# Altium PCB ESC_STM32.PcbDoc (part 2 of 2)
Units mm, origin at the board's own origin, x right, y up, seen from the top; angles counter-clockwise.
Board outline 21.9 x 38.3 mm, 8 copper layers (Top Layer, GND 1, Layer 3, PWR 1, GND 2, Layer 4, PWR 2, Bottom Layer), stack 1.58 mm thick; 153 components, 89 nets, 537 pads, 319 vias.
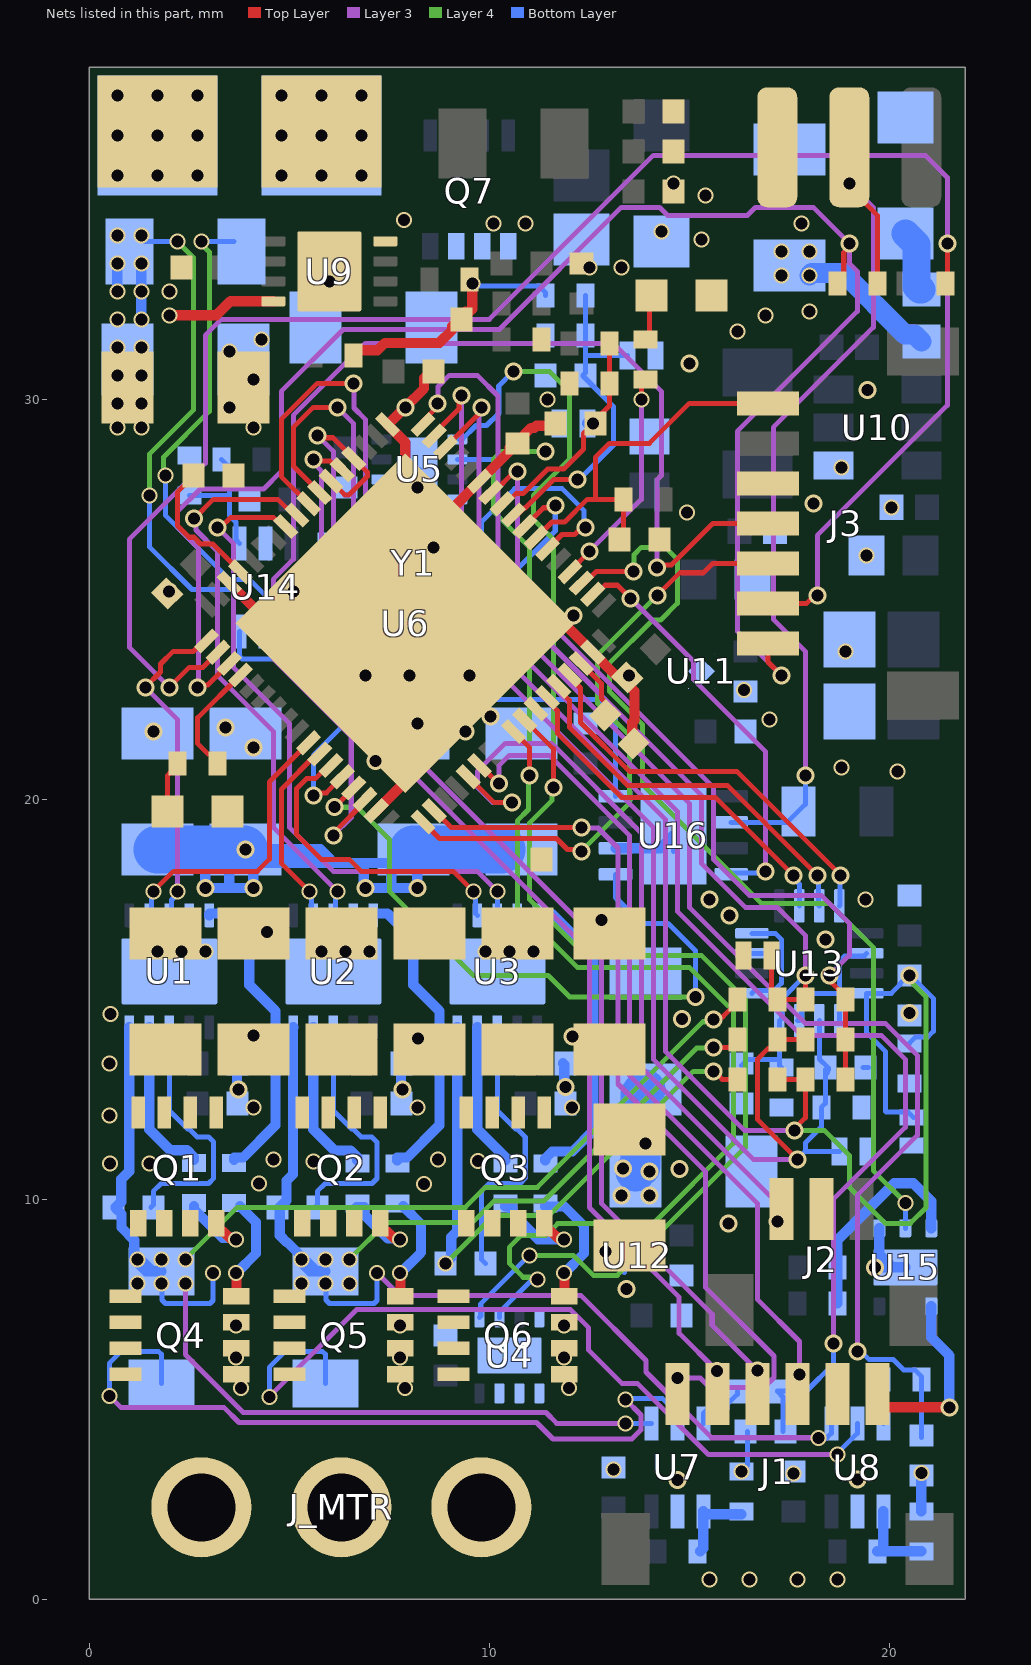
[diagram p8: the nets of this part, all layers, seen from the top]

## Via types
v1: diameter 0.4, hole 0.3, Top Layer to Bottom Layer, tented both sides, 184 vias
v2: diameter 0.45, hole 0.3, Top Layer to Bottom Layer, tented both sides, 135 vias

## Nets (pads, with @x,y where several pads share a name; then routed paths per layer and width w, separated by ;. In a path a pad name is that pad's centre, name@x,y a point inside that pad or via, vN(x,y) a via of type N, cw(c..) or ccw(c..) an arc to the next point about the centre after c; other vN are vias at no path point) (continued)
CAN_L: pad.1@19,36.3 R3.1 R14.2 U16.6 | length 22
  Top Layer w0.127: v2(19,35.4) 19,35.3 19.7,34.6 R14.2@19.7,32.9
  Layer 3 w0.127: v2(17.9,20.6) 17.9,23.7 17.1,24.5 17.1,29.3 19.6,31.8 19.6,34.8 v2(19,35.4)
  Bottom Layer w0.127: U16.6@16.045,19.425 17.45,19.425 17.9,19.875 v2(17.9,20.6)
CAN_RX: U6.47 U16.4 | length 12.2
  Top Layer w0.127: v2(5.6,20.1) 5.662,20.162 5.925,20.162 U6.47@6.327,20.564
  Bottom Layer w0.127: v2(5.6,20.1) 5.6,21.1 6.99,22.491 12.71,22.491 13.155,22.045 U16.4@13.155,20.075
CAN_S: U6.2 U16.8 | length 10.3
  Top Layer w0.127: U6.2@12.585,25.125 12.672,25.125 12.897,25.351 13.208,25.351 v2(13.535,25.023)
  Layer 3 w0.127: v2(13.535,25.023) 15.1,23.458 15.1,23 16.9,21.2 v2(16.9,18.2)
  Bottom Layer w0.127: U16.8@16.045,18.125 16.083,18.163 16.862,18.163 v2(16.9,18.2)
CAN_TX: U6.48 U16.1 | length 16.7
  Top Layer w0.127: v2(6.132,19.802) U6.48@6.61,20.281
  Layer 4 w0.127: v2(6.132,19.802) 6.698,19.802 7.5,19 7.5,17.7 9.6,15.6 11.469,15.6 12.009,15.06 v2(15.152,15.06)
  Bottom Layer w0.127: U16.1@13.155,18.125 13.155,17.545 13.8,16.9 14.469,16.9 15.152,16.217 v2(15.152,15.06)
COMP_OUT_U: U6.63 U13.14 | length 9.2
  Top Layer w0.127: U6.63@11.453,22.544 11.453,22.462 11.7,22.215 11.7,21.65 13.3,20.05 15.65,20.05 v2(17.6,18.1)
  Bottom Layer w0.127: v2(17.6,18.1) 17.6,18.026 17.75,17.876 U13.14@17.75,17.335
COMP_OUT_V: U6.64 U13.15 | length 9.7
  Top Layer w0.127: U6.64@11.736,22.827 11.736,22.74 12,22.476 12,21.8 13.45,20.35 15.95,20.35 v2(18.2,18.1)
  Bottom Layer w0.127: v2(18.2,18.1) 18.225,18.075 18.225,17.36 U13.15@18.25,17.335
COMP_OUT_W: U6.65 U13.16 | length 10.2
  Top Layer w0.127: U6.65@12.019,23.11 12.019,23.039 12.277,22.78 12.277,21.923 13.5,20.7 16.188,20.7 18.777,18.111 v2(18.777,18.1)
  Bottom Layer w0.127: U13.16@18.75,17.335 18.763,17.349 18.763,18.086 v2(18.777,18.1)
ENC.A: J1.4 U6.21 U6.23 | length 30.9
  Top Layer w0.127: v2(5.7,29.1) 5.762,29.038 6.09,29.038 6.523,28.606 U6.21@6.61,28.606 ; U6.23@6.044,27.953 6.386,27.611 6.491,27.611 6.952,28.071 6.952,28.177 U6.21@6.61,28.519
  Layer 3 w0.127: v2(5.7,29.1) 6.1,28.7 6.1,23.095 12.8,16.395 12.8,9.9 15.574,7.126 15.574,6.845 v2(16.7,5.72)
ENC.B: J1.3 U6.57 | length 20.6
  Top Layer w0.127: U6.57@9.756,20.847 9.773,20.847 10.22,20.4 v2(10.238,20.4)
  Layer 3 w0.127: v2@10.273,20.4 v2(10.238,20.4) 10.238,20.838 10.5,21.1 11.5,21.1 13.5,19.1 13.5,13.1 16.7,9.9 16.7,7.5 17.756,6.444 v2(17.756,5.62)
ENC.I: J1.6 U6.53 | length 22.4
  Top Layer w0.127: U6.53@8.625,19.715 9.04,19.3 v2(12.3,19.3)
  Layer 3 w0.127: v2(12.3,19.3) 12.316,19.284 12.716,19.284 13.217,18.782 13.217,12.883 15.4,10.7 15.4,7.8 17.116,6.085 17.116,5.548 16.859,5.292 15.518,5.292 15.282,5.528 v2(14.7,5.528)
ENC_PWR_EN: U6.3 U15.5 | length 24.7
  Top Layer w0.127: U6.3@12.302,25.408 12.389,25.408 12.681,25.7 v2(13.6,25.7)
  Layer 4 w0.127: v2(13.6,25.7) 13.616,25.716 13.616,26.116 13.8,26.3 14.4,26.3 14.7,26 14.7,24.9 14.284,24.484 14.084,24.484 13,23.4 13,22.7 13.825,21.875 13.825,20.375 16.8,17.4 18.5,17.4 19.6,16.3 19.6,10.716 v1(20.408,9.908)
  Bottom Layer w0.127: U15.5@20.4,9.275 20.404,9.279 20.404,9.904 v1(20.408,9.908)
GND: C2.2 C3.2 C5.2 C6.2 C8.2 C9.2 C10.1 C11.1 C12.1 C13.1 C14.1 C15.1 C16.1 C17.1 C18.2 C20.1 C21.1 C22.1 C23.1 C24.1 C25.2 C27.1 C28.1 C29.1 C30.1 C31.1 C32.1 C33.1 C34.1 C35.1 C36.1 C37.2 C38.1 C41.1 C42.1 C43.1 C44.1 C45.1 C46.1 C47.1 C48.1 C49.1 C50.2 C51.2 C52.2 C53.2 C54.1 C55.1 C56.1 C57.1 C58.1 C59.1 C60.1 C61.1 C62.1 C63.1 C64.1 C65.1 C66.1 C67.1 C68.1 C69.1 C73.2 D1.1 D2.1 D3.1 D4.1 D5.1 D6.1 D9.2 D11.2 D12.1 J1.2 J2.2 J3.3 pad.1@5.8,36.6 pad.1@5.8,36.7 pad.1@17.2,36.3 Q4.1 Q4.2 Q4.3 Q5.1 Q5.2 Q5.3 Q6.1 Q6.2 Q6.3 R10.2 R16.2 R20.2 R24.2 R29.2 R30.2 R46.2 R47.2 R48.2 U1.9 U1.11 U2.9 U2.11 U3.9 U3.11 U4.4 U4.5 U4.6 U4.7 U4.9 U5.4 U5.5 U5.6 U5.9 U6.12 U6.18 U6.32 U6.50 U6.62 U6.67 U6.69 U7.2 U8.2 U9.4 U9.9 U10.4 U11.2 U11.5 U12.2 U12.5 U13.9 U13.11 U13.12 U14.2 U15.4 U15.7 U16.2 U16.9 Y1.2 | length 47.2
  Top Layer w0.127: C66.1@4.1,16.65 4.135,16.685 v2(4.442,16.685) ; v2(12.802,16.981) 12.802,16.848 C69.1@13,16.65
  Top Layer w0.254: U6.32@3.498,25.408 4.506,24.4 U6.69@7.9,24.4 ; U6.50@7.175,19.715 8.6,21.14 U6.69@8.6,21.6 ; U6.18@7.458,29.367 7.458,29.365 7.9,28.923 7.9,27.53 U6.69@8.865,26.565 ; U6.18@7.461,29.364 7.464,29.364 v2(7.9,29.8) 8.367,30.267 8.367,30.527 C20.1@8.54,30.7 ; U6.69@7.911,25.611 U6.69@8.865,26.565 ; v2(8.6,26.3) 7.9,25.6 U6.69@7.9,24.4 ; U6.69@9.2,25.46 9.083,25.577 9.083,27.28 U6.12@9.756,27.953 10.507,28.704 10.507,28.787 10.68,28.96 10.72,28.96 10.893,29.133 10.893,29.137 11.042,29.286 11.125,29.286 11.178,29.339 11.649,29.339 C49.1@11.71,29.4 ; C64.1@13.561,21.439 13.575,21.453 13.575,21.914 13.631,21.97 13.631,22.702 13.503,22.83 13.503,23.075 v2(13.489,23.089) 13.475,23.103 13.157,23.103 U6.67@12.585,23.675 11.86,24.4 U6.69@7.9,24.4 ; U6.69@7.9,24.4 8.865,25.365 U6.69@8.865,26.565
  Bottom Layer w0.127: v2(1.6,21.7) 1.65,21.7 C36.1@1.7,21.65 ; v2(7.156,20.956) 7.85,21.65 C67.1@8.1,21.65 ; v2(8.2,27.8) 8.25,27.85 U5.9@8.25,28.25 ; v2(12.9,8.7) 12.9,8.645 U12.2@13.375,8.17 13.375,8.275 U12.5@13.7,8.6 ; U16.9@14.6,18.7 U16.9@14.6,19.1 ; v1(16.3,3.2) 16.46,3.36 C51.2@16.46,4.2 ; U13.9@16.565,15.15 16.631,15.216 17.116,15.216 17.3,15.4 17.3,16.2 ; U13.11@16.565,16.15 17.25,16.15 17.3,16.2 ; U13.12@16.565,16.65 17.15,16.65 17.3,16.5 17.3,16.2 ; C43.1@19.34,13.3 C43.1@19.477,13.3
  Bottom Layer w0.254: C3.2@3.64,13.4 3.691,13.349 3.691,12.786 v2(3.728,12.748) ; C5.2@7.74,13.4 7.791,13.349 7.791,12.786 v2(7.828,12.748) ; C9.2@11.84,13.4 11.875,13.365 11.875,12.839 v2(11.911,12.803) ; U16.2@13.155,18.775 14.275,18.775 U16.9@14.6,19.1 ; v2(19.648,8.3) U15.7@20.073,8.3 ; U15.4@19.75,9.275 19.75,8.623 U15.7@20.073,8.3 ; U15.7@20.4,8.3 U15.7@20.073,8.3 ; R16.2@20.8,2.2 v1(20.8,3.16)
  other v1: 15.5,0.5 16.5,0.5 17.7,0.5 18.7,0.5 17.6,3.14 13.1,3.24 3.79,5.282 7.89,5.282 11.99,5.282 3.67,6.05 7.77,6.05 11.87,6.05 3.67,6.85 7.77,6.85 11.87,6.85 4.1,12.3 8.2,12.3 12.067,12.29 1.7,16.2 2.3,16.2 2.9,16.2 5.8,16.2 6.4,16.2 7,16.2 9.9,16.2 10.5,16.2 11.1,16.2 19.4,17.5 20.2,20.7 18.8,20.8 17,22 16.37,22.73 18.9,23.7 19.425,26.1 14.941,27.173 20.06,27.3 18.8,28.3 4.1,29.3 3.5,29.8 11.45,30 4.1,30.5 3.5,31.2 4.3,31.5 16.2,31.7 16.9,32.1 18,32.2 6,32.944 12.5,33.3 13.3,33.3 15.3,34 14.3,34.2 17.8,34.4 15.4,35.1 14.6,35.4 4.8,35.6 5.8,35.6 6.8,35.6 4.8,36.6 5.8,36.6 6.8,36.6 4.8,37.6 5.8,37.6 6.8,37.6
  other v2: 14.7,2.979 19.2,3 13.43,7.754 15.984,9.39 14.756,10.756 14.815,14.503 20.5,14.66 18.4,16.5 16,17.1 15.5,17.5 4.1,21.3 9.4,21.7 3.4,21.8 8.2,21.9 10.027,22.075 6.9,23.1 8,23.1 9.5,23.1 12.1,24.6 1.989,25.189 5.1,25.2 18.1,27.4 19.452,30.232 15,30.9
GU_H: Q1.4 R2.2 | length 2.2
  Top Layer w0.254: Q1.4@3.175,9.4 3.175,9.28 3.258,9.197 3.352,9.197 3.546,9.004 v1@3.666,9.004
  Bottom Layer w0.254: R2.2@2.619,9.829 2.619,9.754 3.336,9.038 3.632,9.038 v1(3.67,9)
GU_H_R: R2.1 U1.4 | length 4
  Bottom Layer w0.254: U1.4@1.5,14.3 1.5,11.75 2.023,11.227 2.446,11.227 2.619,11.054 R2.1@2.619,10.979
GU_L: Q4.4 R6.2 | length 2.6
  Top Layer w0.254: Q4.4@3.67,7.575 3.681,7.586 3.681,8.151 v1@3.692,8.162
  Bottom Layer w0.254: v1(3.67,8.162) 3.686,8.162 4.169,8.645 4.169,9.429 R6.2@3.769,9.829
GU_L_R: R6.1 U1.10 | length 7.7
  Bottom Layer w0.254: U1.10@3,17.1 3,17.134 3.007,17.141 3.359,17.141 4,16.5 4,15.363 4.652,14.711 4.652,11.852 3.846,11.046 3.619,11.046 R6.1@3.619,10.979
GV_H: Q2.4 R7.2 | length 2.3
  Top Layer w0.254: Q2.4@7.275,9.4 7.275,9.28 7.358,9.197 7.452,9.197 7.646,9.004 v1@7.766,9.004
  Bottom Layer w0.254: R7.2@6.682,9.807 6.868,9.807 6.873,9.802 6.873,9.616 7.473,9.017 7.753,9.017 v1(7.77,9)
GV_H_R: R7.1 U2.4 | length 4
  Bottom Layer w0.254: U2.4@5.6,14.3 5.6,11.75 6.127,11.223 6.527,11.223 6.7,11.05 R7.1@6.7,10.975
GV_L: Q5.4 R12.2 | length 2.7
  Top Layer w0.254: Q5.4@7.77,7.575 7.781,7.586 7.781,8.151 v1@7.792,8.162
  Bottom Layer w0.254: v1(7.77,8.162) 7.786,8.162 8.291,8.667 8.291,9.384 R12.2@7.85,9.825
GV_L_R: R12.1 U2.10 | length 7.7
  Bottom Layer w0.254: U2.10@7.1,17.1 7.1,17.134 7.107,17.141 7.459,17.141 8.1,16.5 8.1,15.363 8.752,14.711 8.752,11.852 7.946,11.046 7.7,11.046 R12.1@7.7,10.975
GW_H: Q3.4 R13.2 | length 2.6
  Top Layer w0.254: Q3.4@11.375,9.4 11.375,9.28 11.458,9.197 11.552,9.197 11.746,9.004 v1@11.866,9.004
  Bottom Layer w0.254: R13.2@10.4,9.825 10.55,9.825 10.573,9.802 10.573,9.652 11.225,9 v1(11.87,9)
GW_H_R: R13.1 U3.4 | length 3.6
  Bottom Layer w0.254: U3.4@9.7,14.3 9.7,11.75 10.4,11.05 R13.1@10.4,10.975
GW_L: Q6.4 R15.2 | length 3.2
  Top Layer w0.254: Q6.4@11.87,7.575 11.881,7.586 11.881,8.151 v1@11.892,8.162
  Bottom Layer w0.254: R15.2@11.4,9.825 11.403,9.822 11.878,9.822 12.369,9.331 12.369,8.645 11.886,8.162 v1(11.87,8.162)
GW_L_R: R15.1 U3.10 | length 7.8
  Bottom Layer w0.254: U3.10@11.2,17.1 11.2,17.134 11.207,17.141 11.559,17.141 12.6,16.1 12.6,11.714 12.081,11.195 11.573,11.195 11.4,11.022 R15.1@11.4,10.975
HB_U: C1.2 U1.3 | length 6.5
  Bottom Layer w0.127: C1.2@1.54,9.8 1.6,9.86 1.6,10.2 1.796,10.396 2.981,10.396 3.11,10.525 3.11,11.433 2.985,11.558 2.699,11.558 2.494,11.763 2.458,11.763 2,12.22 U1.3@2,14.3
HB_V: C4.2 U2.3 | length 6.5
  Bottom Layer w0.127: C4.2@5.64,9.8 5.7,9.86 5.7,10.2 5.896,10.396 7.065,10.396 7.191,10.521 7.191,11.429 7.062,11.558 6.799,11.558 6.594,11.763 6.558,11.763 6.1,12.22 U2.3@6.1,14.3
HB_W: C7.2 U3.3 | length 7.2
  Bottom Layer w0.127: C7.2@9.9,8.4 9.8,8.5 9.8,10.2 9.996,10.396 10.765,10.396 10.899,10.529 10.899,11.558 10.694,11.763 10.658,11.763 10.2,12.22 U3.3@10.2,14.3
ISNS_U: C51.1 R32.1 U6.16 | length 34.8
  Top Layer w0.127: U6.16@8.625,29.085 8.625,29.143 9.238,29.757 9.238,30.038 v2(9.3,30.1)
  Layer 3 w0.127: v2(9.3,30.1) 9.3,25.1 14.7,19.7 14.7,17.2 17.8,14.1 19.8,14.1 20.4,13.5 20.4,11.8 18.6,10 v2(18.6,6.4)
  Bottom Layer w0.127: C51.1@17.34,4.2 17.34,5.06 R32.1@17.2,5.2 17.205,5.205 17.928,5.205 18.6,5.877 v2(18.6,6.4)
ISNS_U_R: R32.2 U7.6 | length 1.4
  Bottom Layer w0.127: U7.6@15.35,4.4 15.35,4.65 15.462,4.762 15.937,4.762 15.937,4.862 16.2,5.125 R32.2@16.2,5.2
ISNS_V: C52.1 R34.1 U6.15 | length 34.7
  Top Layer w0.127: U6.15@8.908,28.802 9.738,29.632 9.738,29.738 v2(9.8,29.8)
  Layer 3 w0.127: v2(9.8,29.8) 9.738,29.738 9.738,25.162 15,19.9 15,17.3 17.9,14.4 19.9,14.4 20.7,13.6 20.7,11.6 19.2,10.1 v2(19.2,6.2)
  Bottom Layer w0.127: v2(19.2,6.2) 19.287,6.2 19.497,5.991 20.104,5.991 20.358,5.737 20.638,5.737 20.8,5.575 R34.1@20.8,5.5 C52.1@20.8,4.04
ISNS_V_R: R34.2 U8.6 | length 1.2
  Bottom Layer w0.127: R34.2@19.8,5.575 R34.2@19.8,5.5 19.763,5.463 19.85,5.375 U8.6@19.85,4.4
ISNS_VIN: C53.1 R35.1 U6.8 | length 8.1
  Top Layer w0.127: U6.8@10.888,26.822 10.954,26.822 10.954,26.888 11.355,27.289 11.587,27.289 v2(11.649,27.351)
  Bottom Layer w0.127: R35.1@7,24 7,24.075 7.506,24.581 7.96,24.581 ; C53.1@7.96,24 7.96,24.581 ; v2(11.649,27.351) 11.649,26.709 9.521,24.581 7.96,24.581
ISNS_VIN_R: R35.2 U14.6 | length 3.1
  Bottom Layer w0.127: U14.6@3.75,24.2 3.75,23.585 3.824,23.51 5.379,23.51 5.632,23.764 5.838,23.764 6,23.925 R35.2@6,24
LED0: R33.2 U6.38 | length 2.9
  Top Layer w0.127: R33.2@3.2,20.9 3.2,20.975 3.038,21.137 2.963,21.137 2.71,21.39 2.71,22.039 U6.38@3.781,23.11
LED1: R38.2 U6.4 | length 5.6
  Top Layer w0.127: U6.4@12.019,25.69 12.019,25.705 12.5,26.186 v2(12.5,26.2) ; v1(13.8,30) 13.8,30.4 R38.2@13.9,30.5
  Layer 3 w0.127: v2(12.5,26.2) 13.8,27.5 v1(13.8,30)
NetD1_2: D1.2 R25.1 | length 1.6
  Bottom Layer w0.7: D1.2@20.4,34.15 20.675,33.875 20.675,32.825 20.75,32.75 R25.1@20.8,32.75
NetD9_1: D9.1 R33.1 | length 1.3
  Top Layer w0.127: D9.1@1.95,19.7 1.95,20.589 2.024,20.664 2.038,20.664 2.2,20.825 R33.1@2.2,20.9
NetD11_1: D11.1 R38.1 | length 1.2
  Top Layer w0.127: R38.1@13.9,31.5 14,31.6 14,32.55 D11.1@14.05,32.6
OSC: U6.6 Y1.3 | length 6.8
  Top Layer w0.127: U6.6@11.453,26.256 11.818,26.621 12.133,26.621 12.313,26.8 v2(12.4,26.8)
  Bottom Layer w0.127: Y1.3@8.965,25.235 9.015,25.235 9.352,25.572 9.352,25.622 9.8,26.07 9.8,26.929 10.637,27.766 11.821,27.766 12.372,27.216 12.372,26.828 v2(12.4,26.8)
OUT_U: J_MTR.1 R5.2 U7.5 | length 19.5
  Layer 3 w0.127: v1(0.5,5.088) 0.788,4.8 3.361,4.8 3.742,4.419 11.181,4.419 11.591,4.01 13.562,4.01 13.79,4.238 13.79,4.61 v1(13.4,5)
  Bottom Layer w0.127: v1(0.5,5.088) 0.5,5.9 0.8,6.2 1.726,6.2 1.8,6.126 R5.2@1.8,5.4 ; v1(13.4,5) 13.416,5.016 14.335,5.016 14.7,4.65 U7.5@14.7,4.4
OUT_V: J_MTR.2 R8.2 U8.5 | length 21
  Layer 3 w0.127: v1(4.5,5.063) 6.677,7.24 12.032,7.24 12.484,6.788 12.484,6.228 13.322,5.391 13.71,5.391 15.477,3.623 v1(18.7,3.623)
  Bottom Layer w0.127: v1(4.5,5.063) 4.5,5.8 4.9,6.2 5.826,6.2 5.9,6.126 R8.2@5.9,5.4 ; v1(18.7,3.623) 18.7,3.65 19.2,4.15 U8.5@19.2,4.4
OUT_W: C7.1 J_MTR.3 Q3.1 Q3.2 Q3.3 Q6.5 Q6.6 Q6.7 Q6.8 R45.1 U3.5 | length 15.4
  Top Layer w0.127: v2(15.6,13.2) 15.624,13.2 15.824,13 R45.1@16.2,13
  Layer 4 w0.127: v1(8.9,8.4) 8.918,8.4 10.118,9.6 11.5,9.6 15.1,13.2 v2(15.6,13.2)
  Bottom Layer w0.254: v1(8.9,8.4) 9.048,8.548 9.048,9.056 9.2,9.208 U3.5@9.2,14.3
PWM_UH: U1.7 U6.44 | length 7.2
  Top Layer w0.127: v1(1.6,17.7) 2.1,18.2 4.2,18.2 4.5,18.5 4.5,20.434 U6.44@5.478,21.412
  Bottom Layer w0.127: U1.7@1.5,17.1 1.55,17.15 1.55,17.65 v1(1.6,17.7)
PWM_UL: U1.8 U6.35 | length 8.2
  Top Layer w0.127: v2(1.4,22.8) 1.781,23.181 1.781,23.381 2.1,23.7 2.603,23.7 2.862,23.958 U6.35@2.933,23.958
  Layer 3 w0.127: v2(1.4,22.8) 2.2,22 v1(2.2,17.7)
  Bottom Layer w0.127: U1.8@2,17.1 2.057,17.157 2.057,17.483 2.2,17.626 v1(2.2,17.7)
PWM_VH: U2.7 U6.45 | length 4.8
  Top Layer w0.127: v1(5.5,17.7) 4.8,18.4 4.8,20.247 5.683,21.13 U6.45@5.761,21.13
  Bottom Layer w0.127: v1(5.5,17.7) 5.55,17.65 5.55,17.15 U2.7@5.6,17.1
PWM_VL: U2.8 U6.26 | length 14.4
  Top Layer w0.127: v2(2.617,27.017) 3.1,27.5 4.713,27.5 5.108,27.105 U6.26@5.195,27.105
  Layer 3 w0.127: v2(2.617,27.017) 2.667,26.966 2.667,26.733 3.2,26.2 3.2,23.1 4.6,21.7 4.6,19.3 v1(6.2,17.7)
  Bottom Layer w0.127: U2.8@6.1,17.1 6.15,17.15 6.15,17.65 v1(6.2,17.7)
PWM_WH: U3.7 U6.46 | length 7.9
  Top Layer w0.127: U6.46@6.044,20.847 5.977,20.847 5.646,20.516 5.428,20.516 5.184,20.272 5.184,19.116 5.8,18.5 6.5,18.5 6.8,18.2 9.1,18.2 v1(9.6,17.7)
  Bottom Layer w0.127: v1(9.6,17.7) 9.65,17.65 9.65,17.15 U3.7@9.7,17.1
PWM_WL: U3.8 U6.27 | length 16.6
  Top Layer w0.127: v2(3.2,26.8) 3.287,26.8 3.535,27.048 4.6,27.048 4.825,26.822 U6.27@4.912,26.822
  Layer 3 w0.127: v2(3.2,26.8) 3.6,26.4 3.6,23.3 5,21.9 5,19.3 6.1,18.2 9.7,18.2 v1(10.2,17.7)
  Bottom Layer w0.127: U3.8@10.2,17.1 v1(10.2,17.7)
RST_L: C25.1 J3.1 R11.1 U6.7 | length 9.5
  Top Layer w0.127: U6.7@11.17,26.539 11.567,26.935 11.885,26.935 12.45,27.5 12.65,27.5 ; C25.1@13.31,26.5 13.35,26.54 R11.1@13.35,27.5 12.65,27.5 ; J3.1@16.968,29.9 15,29.9 14,28.9 13,28.9 12.65,28.55 12.65,27.5
RX: J3.7 R14.1 U6.37 | length 42
  Top Layer w0.127: v2(2.7,22.8) 2.762,22.862 2.968,22.862 U6.37@3.498,23.392 ; J3.7@16.968,23.9 16.968,23.432 v2(17.3,23.1) ; R14.1@18.7,32.9 18.862,33.062 18.862,33.674 19,33.813 v2(19,33.9)
  Layer 3 w0.127: v2(2.7,22.8) 2.727,22.827 2.727,26.273 2.201,26.799 2.201,27.189 2.771,27.758 4.358,27.758 4.8,28.2 4.8,30.2 6.346,31.746 10.246,31.746 13.3,34.8 14.252,34.8 14.452,34.6 16.452,34.6 16.652,34.8 18.1,34.8 v2(19,33.9) 19,33.4 19.2,33.2 19.2,32.2 16.2,29.2 16.2,24.2 v2(17.3,23.1)
SCL: U4.2 U5.2 U6.60 | length 35.8
  Top Layer w0.127: U6.60@10.605,21.695 11,21.3 v2(11,20.6)
  Layer 4 w0.127: v1(11.2,8) 11.148,8.052 10.848,8.052 10.5,8.4 10.5,8.8 10.8,9.1 11.418,9.1 11.708,9.39 14.091,9.39 16.1,11.4 16.1,14.7 15,15.8 12.2,15.8 10.7,17.3 10.7,19.462 10.982,19.744 10.982,20.535 11,20.553 11,26.3 10.1,27.2 10.1,28.5 10.3,28.7 v2(11.4,28.7)
  Bottom Layer w0.127: U5.2@9.2,28.5 10.219,28.5 10.419,28.7 v2(11.4,28.7) ; U4.2@10.25,7.05 10.25,7.175 10.435,7.359 ; 10.435,7.361 11.022,7.948 11.148,7.948 v1(11.2,8)
SDA: U4.1 U5.1 U6.61 | length 38.8
  Top Layer w0.127: U6.61@10.888,21.978 11.6,21.266 v2(11.6,20.3)
  Layer 4 w0.127: v2(10.6,30.7) 11.5,30.7 12,30.2 12,28.5 11.1,27.6 11.1,27 11.6,26.5 v2(11.6,20.3) 11.6,20.264 11.563,20.227 11.563,19.966 11,19.403 11,17.5 12.4,16.1 15.3,16.1 16.4,15 16.4,11.3 13.2,8.1 12.6,8.1 12.1,8.6 v1(11,8.6)
  Bottom Layer w0.127: U5.1@9.2,29 9.325,29 9.67,29.345 9.932,29.345 10.235,29.648 10.235,30.335 v2(10.6,30.7) ; U4.1@9.75,7.05 9.786,7.086 9.786,7.386 v1(11,8.6)
SERVO: J2.3 U6.56 | length 19.2
  Top Layer w0.127: U6.56@9.473,20.564 10.121,19.916 v2(10.566,19.916)
  Layer 3 w0.127: v2(10.566,19.916) 10.084,19.916 9.7,20.3 9.7,20.7 10.4,21.4 11.559,21.4 13.8,19.159 13.8,13.3 17.2,9.9 v2(17.2,9.448)
SH_U_R: C1.1 Q1.1 Q1.2 Q1.3 Q4.5 Q4.6 Q4.7 Q4.8 R5.1 R41.1 U1.5 U7.4 | length 40.5
  Top Layer w0.127: v2(15.6,14.5) 15.662,14.562 15.837,14.562 16.2,14.925 R41.1@16.2,15
  Layer 3 w0.127: v1(2.4,7.9) 2.4,6.12 3.848,4.673 11.415,4.673 11.687,4.4 v1(13.4,4.4)
  Layer 4 w0.127: v1(2.4,8.5) 3.7,9.8 9.4,9.8 9.9,10.3 11.2,10.3 15.338,14.438 15.538,14.438 v2(15.6,14.5)
  Bottom Layer w0.127: v1(1.8,7.9) 1.816,7.884 1.816,7.484 1.907,7.393 3.019,7.393 3.093,7.467 v1(3.093,8.162) ; v1(13.4,4.4) U7.4@14.05,4.4
  Bottom Layer w0.254: C1.1@0.66,9.78 0.805,9.635 0.805,9.295 1.122,8.978 1.122,8.578 v1(1.2,8.5) 1.2,8.423 1.423,8.2 R5.1@1.575,8.2 ; C1.1@0.66,9.8 0.799,9.939 0.799,10.501 1,10.702 U1.5@1,14.3 ; R5.1@1.276,8.499 R5.1@1.575,8.2 ; R5.1@1.8,8.2 R5.1@1.575,8.2
  other v1: 1.2,7.9 1.8,8.5
SH_V_R: C4.1 Q2.1 Q2.2 Q2.3 Q5.5 Q5.6 Q5.7 Q5.8 R8.1 R43.1 U2.5 U8.4 | length 35.4
  Top Layer w0.127: v2(15.6,13.8) 16.038,13.8 16.2,13.962 R43.1@16.2,14
  Layer 3 w0.127: v1(7.193,8.162) 7.755,7.6 12.288,7.6 13.919,5.969 13.919,5.681 15.561,4.039 v1(18.236,4.039)
  Layer 4 w0.127: v1(6.5,8.5) 7.415,9.416 9.575,9.416 10.113,9.954 11.354,9.954 15.184,13.784 15.584,13.784 v2(15.6,13.8)
  Bottom Layer w0.127: v1(5.9,7.9) 5.916,7.884 5.916,7.484 6.007,7.393 7.119,7.393 7.193,7.467 v1(7.193,8.162) ; v1(18.236,4.039) 18.438,4.039 18.55,4.15 U8.4@18.55,4.4
  Bottom Layer w0.254: U2.5@5.1,14.3 5.093,14.293 5.093,10.628 4.933,10.468 4.933,9.973 4.76,9.8 4.76,9.099 4.94,8.919 4.956,8.919 R8.1@5.675,8.2 ; v1(5.3,8.5) 5.3,8.423 5.523,8.2 R8.1@5.675,8.2 ; R8.1@5.9,8.2 R8.1@5.675,8.2
  other v1: 5.3,7.9 6.5,7.9 5.9,8.5
SPI.MISO: J1.5 U6.22 | length 27.8
  Top Layer w0.127: v2(5.6,28.5) 5.638,28.462 6.014,28.462 6.24,28.236 U6.22@6.327,28.236
  Layer 3 w0.127: v2(5.6,28.5) 5.6,28.413 5.8,28.213 5.8,22.9 12.5,16.2 12.5,9.797 14.747,7.551 14.747,6.651 v2(15.69,5.707)
SWCLK: J3.5 U6.52 | length 15.2
  Top Layer w0.127: U6.52@8.342,19.433 8.757,19.018 11.682,19.018 11.955,18.745 12.255,18.745 v2(12.3,18.7) ; v2(14.2,25.1) 14.764,25.664 15.356,25.664 15.593,25.9 J3.5@16.968,25.9
  Layer 4 w0.127: v2(12.3,18.7) 13.5,19.9 13.5,21.6 12.7,22.4 12.7,23.6 v2(14.2,25.1)
SWDIO: J3.4 U6.49 | length 31
  Top Layer w0.127: v2(6.1,19.1) 6.1,19.153 6.892,19.945 U6.49@6.892,19.998 ; v2(14.196,25.8) 14.258,25.862 14.555,25.862 15.593,26.9 J3.4@16.968,26.9
  Layer 3 w0.127: v2(6.1,19.1) 6.548,19.548 6.548,21.569 4.6,23.517 4.6,25.5 5.1,26 5.1,29.6 6.9,31.4 13.1,31.4 14.3,30.2 14.3,28.095 14.196,27.992 v2(14.196,25.8)
TX: J3.6 R9.1 U6.36 | length 46.4
  Top Layer w0.127: v2(2,22.8) 2.5,23.3 2.84,23.3 U6.36@3.215,23.675 ; J3.6@16.968,24.9 17.933,24.9 18.133,25.1 v2(18.2,25.1) ; R9.1@21.4,32.9 21.452,32.952 v2(21.452,33.9)
  Layer 3 w0.127: v2(2,22.8) 1,23.8 1,26.5 2.9,28.4 2.9,31.6 3.3,32 10,32 14.1,36.1 20.9,36.1 21.452,35.548 v2(21.452,33.9) 21.452,29.852 18.2,26.6 v2(18.2,25.1)
U_ISNS_REF: R4.2 R10.1 U7.1 | length 2
  Bottom Layer w0.254: R4.2@15.275,1.2 15.35,1.275 U7.1@15.35,2.2 15.35,2.173 15.398,2.125 R10.1@16.3,2.125
V_ISNS_REF: R1.2 R16.1 U8.1 | length 2.1
  Bottom Layer w0.254: R1.2@19.7,1.2 19.775,1.2 R1.2@19.85,1.275 ; U8.1@19.85,2.2 19.85,1.2 R16.1@20.8,1.2
VBAT: C10.2 C11.2 C12.2 C13.2 C15.2 C19.1 C36.2 C38.2 C40.2 C46.2 C47.2 C48.2 C57.2 C60.2 C65.2 C66.2 C67.2 C68.2 C69.2 Q1.5 Q1.6 Q1.7 Q1.8 Q2.5 Q2.6 Q2.7 Q2.8 Q3.5 Q3.6 Q3.7 Q3.8 Q7.1 Q7.2 Q7.3 R17.1 R18.2 R25.2 R27.2 R31.2 U9.8 | length 44.1
  Top Layer w0.127: C66.2@4.1,13.75 v2(4.1,14.1) ; v2(8.215,14.026) 8.49,13.75 C65.2@8.5,13.75 ; v2(12.084,14.072) 12.407,13.75 C69.2@13,13.75
  Top Layer w0.254: v1(2,32.1) 3.177,32.1 3.527,32.45 U9.8@4.6,32.45 ; R17.1@6.6,31.1 6.6,31.127 6.698,31.225 7.206,31.225 7.391,31.41 8.749,31.41 9.067,31.728 9.067,31.827 9.24,32 9.24,32.02 9.413,32.193 9.513,32.193 9.575,32.255 v1(9.575,32.9)
  Bottom Layer w0.127: R31.2@1.391,33.947 2.2,33.947 ; C68.2@3.393,19.222 3.865,18.75 v2(3.9,18.75) ; C68.2@3.5,18.35 3.882,18.732 v2(3.9,18.75) ; C68.2@4.1,18.55 v2(3.9,18.75) ; v2(6.9,17.785) v2@6.9,17.8 ; C67.2@7.5,18.163 7.55,18.213 7.742,18.406 8.087,18.75 8.073,18.75 7.85,18.75 C67.2@7.506,18.406 ; v1(9.575,32.9) 9.649,32.9 9.712,32.837 11.238,32.837 11.4,32.675 R27.2@11.4,32.6
  Bottom Layer w0.254: v1(0.7,32.7) v1(0.7,33.4) ; v1(1.3,32) v1(1.3,32.7) v1(1.3,33.4) ; 2.8,18.75 2.9,18.65 v2(2.9,17.785) 3.5,17.785 ; C68.2@3.5,18.35 3.5,17.785 ; C68.2@3.865,18.75 3.882,18.732 C68.2@4.1,18.515 ; C67.2@8.073,18.75 C67.2@7.729,18.406 ; C67.2@8.087,18.75 C67.2@8.1,18.75 ; C47.2@13.65,10.7 C47.2@13.9,10.95 ; 3.5,17.785 v2(4.1,17.785) C68.2@4.1,18.515 ; C68.2@4.1,18.515 4.1,18.55 4.1,18.563 C68.2@4.224,18.687 ; C68.2@4.1,18.515 4.209,18.406 6.117,18.406 ; C68.2@4.224,18.687 C68.2@4.287,18.75 ; C68.2@4.224,18.687 4.673,18.6 5.494,18.6 cw(c5.494,18.346) 5.506,18.6 5.945,18.578 ; C68.2@4.224,18.687 v2(3.9,18.75) C68.2@4.287,18.75 ; C68.2@4.287,18.75 5.773,18.75 5.945,18.578 ; 5.945,18.578 6.117,18.406 ; 6.117,18.406 6.811,18.406 ; 6.811,18.406 7.506,18.406 C67.2@7.729,18.406 ; 6.811,18.406 6.862,18.354 6.862,17.822 v2(6.9,17.785) 7.55,17.785 ; 7.55,17.785 v2(8.2,17.785) 8.2,18.65 C67.2@8.1,18.75 ; 7.55,17.785 7.55,18.213 7.55,18.227 C67.2@7.729,18.406 ; C67.2@7.729,18.406 7.742,18.406 7.756,18.406 C67.2@8.1,18.75
  Bottom Layer w0.5: v1(18,33.1) 18.056,33.156 18.857,33.156 20.388,31.625 20.625,31.625 R25.2@20.8,31.45
  Bottom Layer w1: C47.2@13.65,10.7 13.775,10.825 13.775,12.625 C48.2@13.9,12.75
  Bottom Layer w1.2: C36.2@1.7,18.75 2.8,18.75 C68.2@3.865,18.75 ; C67.2@8.1,18.75 C46.2@10.3,18.75
  other v1: 4.242,10.4 8.362,10.386 0.521,10.9 1.5,10.9 5.6,10.946 9.718,10.959 4.6,11 8.721,11 0.5,12.1 0.5,13.4 0.532,14.634 0.7,29.3 1.3,29.3 0.7,29.9 1.3,29.9 0.7,30.6 1.3,30.6 0.7,31.3 1.3,31.3 0.7,32 2,32.7 17.3,33.1 17.3,33.7 18,33.7 0.7,34.1 1.3,34.1 10.1,34.4 10.9,34.4 7.868,34.48
  other v2: 13.3,10.1 14,10.1 14,10.7 13.346,10.77 13.9,11.4
VBAT_ISNS_REF: R23.2 R24.1 U14.1 | length 3.3
  Bottom Layer w0.127: R24.1@2.5,27.6 3.5,27.6 ; R23.2@3.3,28.5 3.462,28.339 3.462,27.938 3.5,27.9 3.5,27.6 ; U14.1@3.75,26.4 3.667,26.483 3.667,26.933 3.5,27.1 3.5,27.6
VBAT_SNS_N: U14.5 | length 12.2
  Layer 4 w0.127: v1(1.5,27.6) 1.5,28.628 2.6,29.728 2.6,33.547 v1(2.2,33.947)
  Bottom Layer w0.127: v1(1.5,27.6) 1.5,26.312 2.566,25.246 3.604,25.246 4.4,24.45 U14.5@4.4,24.2
VBAT_SNS_P: U14.4 | length 12.7
  Layer 4 w0.127: v1(1.9,28.1) 1.854,28.146 1.854,28.554 3,29.7 3,33.683 2.8,33.883 v1(2.8,33.943)
  Bottom Layer w0.127: v1(1.9,28.1) 1.9,27.1 3.5,25.5 4,25.5 5.05,24.45 U14.4@5.05,24.2 ; v1(2.8,33.943) 3.609,33.943 3.611,33.942
VCAP1: C63.2 U6.31 | length 3.5
  Top Layer w0.127: C63.2@2.6,28.1 2.6,28.075 2.2,27.675 2.2,26.846 2.495,26.551 2.615,26.551 2.781,26.384 3.087,26.384 U6.31@3.781,25.69
VCAP2: C64.2 U6.66 | length 1.6
  Top Layer w0.127: U6.66@12.302,23.392 12.803,22.891 12.803,22.521 12.939,22.385 C64.2@12.939,22.061
VCC_ENC: J1.1 U15.1 | length 4.7
  Top Layer w0.254: J1.1@19.7,5.132 19.7,4.973 19.873,4.8 v2(21.5,4.8)
  Bottom Layer w0.254: U15.1@21.05,7.325 21.05,6.548 21.5,6.098 v2(21.5,4.8)
VCC_ENC_R: R21.1 R22.1 U15.6 | length 5.4
  Bottom Layer w0.254: R22.1@18.7,7.4 18.7,8.975 20.125,10.4 20.6,10.4 21.05,9.95 U15.6@21.05,9.275
Vin: pad.1@1.7,36.6 pad.1@1.7,36.7 R31.1
  other v1: 0.7,35.6 1.7,35.6 2.7,35.6 0.7,36.6 1.7,36.6 2.7,36.6 0.7,37.6 1.7,37.6 2.7,37.6
VSNS_12V: C49.2 D6.2 R28.1 R30.1 U6.10 | length 5.9
  Top Layer w0.127: U6.10@10.322,27.388 10.409,27.388 10.663,27.642 10.842,27.642 11.454,28.254 11.854,28.254 12.354,28.754 12.354,29.144 12.46,29.25 12.59,29.25 12.59,29.35 v1(12.59,29.4) ; C49.2@12.64,29.25 12.64,29.35 v1(12.59,29.4) ; R28.1@13,31.4 13,29.83 12.59,29.42 v1(12.59,29.4)
  Bottom Layer w0.254: D6.2@12.45,29.4 v1(12.59,29.4)
VSNS_U: C42.2 D4.2 R40.1 R41.2 R46.1 U6.17 U13.8 | length 27.2
  Top Layer w0.127: U6.17@8.342,29.367 8.342,29.454 8.638,29.751 8.638,29.838 v2(8.7,29.9) ; D4.2@17.05,16.15 D4.2@17.05,16.1 17.05,15.15 R41.2@17.2,15 R40.1@17.9,15 v2(17.9,15.6)
  Layer 3 w0.127: v2(8.7,29.9) 8.716,29.916 8.716,30.316 9,30.6 9.7,30.6 10.216,30.085 10.216,25.184 15.3,20.1 15.3,18.4 16.4,17.3 17.2,17.3 17.9,16.6 v2(17.9,15.6)
  Bottom Layer w0.127: C42.2@16.3,13.34 16.46,13.5 R46.1@17.25,13.5 ; R46.1@17.3,13.3 17.25,13.35 R46.1@17.25,13.5 ; v2(17.9,15.6) 17.316,15.016 17.316,14.532 U13.8@17.25,14.465 R46.1@17.25,13.5
VSNS_V: C43.2 D3.2 R42.1 R43.2 R47.1 U6.24 U13.6 | length 36.8
  Top Layer w0.127: U6.24@5.761,27.67 5.1,28.331 5.1,29.3 5.6,29.8 v2(6.2,29.8) ; v2(17.7,11) 16.71,11.99 16.71,13.51 16.963,13.764 17.038,13.764 17.2,13.925 R43.2@17.2,14 R42.1@17.9,14
  Layer 3 w0.127: v2(6.2,29.8) 6.6,29.4 6.6,26.8 14.1,19.3 14.1,13.5 16.6,11 v2(17.7,11)
  Bottom Layer w0.127: v2(17.7,11) 17.9,11.2 ; U13.6@18.25,14.465 18.25,13.51 C43.2@18.46,13.3 ; C43.2@18.475,13.232 18.475,13.285 C43.2@18.46,13.3 ; D3.2@18.75,11.2 17.9,11.2 ; 17.9,11.2 17.9,11.41 18.3,11.81 R47.1@18.3,12.3 18.4,12.4 C43.2@18.4,13.105 ; C43.2@18.4,13.105 18.46,13.165 C43.2@18.46,13.3 ; C43.2@18.4,13.105 18.4,13.24 C43.2@18.46,13.3
VSNS_VBAT: C45.2 D5.2 R27.1 R29.1 U6.9 | length 8.4
  Top Layer w0.127: U6.9@10.605,27.105 10.692,27.105 10.869,27.282 10.902,27.282 11.619,28 v2(12.2,28)
  Bottom Layer w0.127: v2(12.2,28) 12.252,28 13.1,28.848 13.1,29.82 12.34,30.58 12.34,30.6 12.4,30.66 12.4,31.1 ; R27.1@12.4,32.6 12.4,31.1 ; D5.2@13.45,31.1 12.4,31.1
VSNS_W: C44.2 D2.2 R44.1 R45.2 R48.1 U6.25 U13.4 | length 49.1
  Top Layer w0.127: U6.25@5.478,27.388 4.8,28.066 4.8,29.5 5.7,30.4 v2(6.6,30.4) ; R45.2@17.2,13 R44.1@17.9,13 17.9,12.039 17.627,11.765 v2(17.627,11.724)
  Layer 3 w0.127: v2(6.6,30.4) 6.616,30.384 6.616,29.785 6.9,29.5 6.9,27 14.4,19.5 14.4,13.7 16.376,11.724 v2(17.627,11.724)
  Layer 4 w0.127: v2(17.627,11.724) 18.376,11.724 19,11.1 19,10.3 19.9,9.4 20.526,9.4 20.915,9.79 20.915,15.067 20.562,15.421 20.562,15.538 v2(20.5,15.6)
  Bottom Layer w0.127: R48.1@20.5,13.9 20.661,14.062 20.961,14.062 21.1,14.2 21.1,15.025 20.525,15.6 v2(20.5,15.6) 20.475,15.6 20.263,15.389 20.263,15.364 20.05,15.15 U13.4@19.435,15.15 19.435,14.165 19.9,13.7 19.9,12.2 19.914,12.187 20.463,12.187 D2.2@20.6,12.05
VSNS_X: R40.2 R42.2 R44.2 U6.11 U13.2 U13.5 U13.7 | length 25.1
  Top Layer w0.127: U6.11@10.039,27.67 10.105,27.67 10.634,28.2 v2(10.7,28.2) ; v2(18.5,15.6) 18.562,15.538 18.562,15.413 18.9,15.075 R40.2@18.9,15 R42.2@18.9,14 R44.2@18.9,13
  Layer 3 w0.127: v2(10.7,28.2) 10.7,25.2 15.6,20.3 15.6,18.5 16.5,17.6 18.3,17.6 19,16.9 19,16.1 v2(18.5,15.6)
  Bottom Layer w0.127: U13.7@17.7,14.465 U13.7@17.75,14.465 17.8,14.515 17.8,15 17.95,15.15 18.75,15.15 ; v2(18.5,15.6) 18.75,15.6 ; U13.5@18.75,14.465 18.75,15.15 ; U13.2@19.435,16.15 19.368,16.084 18.883,16.084 18.75,15.95 18.75,15.6 ; 18.75,15.15 18.75,15.6
pads on no net: J1.M J2.M J3.M U1.2 U2.2 U3.2 U4.3 U5.3 U6.5 U6.14 U6.20 U6.28 U6.29 U6.30 U6.34 U6.39 U6.40 U6.41 U6.42 U6.43 U6.54 U6.55 U6.58 U6.59 U13.3 U13.10 U13.13 U15.2 U15.3 Y1.1

## Polygon pours and split planes (outlines as drawn)
GND on Top Layer "PolygonDirect" (solid, pour order 43): 0,0 0,38.3 21.9,38.3 21.9,0
VBAT on Top Layer "polygonDirect" (solid, pour order 42): 14.2,10.1 14.627,10.527 14.627,13.773 13.8,14.6 0,14.6 0,10.1
GND on Top Layer "PolygonDirect" (solid, pour order 41): 11.409,7.09 11.609,7.29 12.309,7.29 12.509,7.09 12.509,4.89 12.409,4.79 12.109,4.79 11.409,5.49
GND on Top Layer "PolygonDirect" (solid, pour order 36): 7.1,6.881 7.509,7.29 8.209,7.29 8.409,7.09 8.409,4.89 8.309,4.79 7.1,4.79
OUT_W on Top Layer "PolygonDirect" (solid, pour order 26): 12.127,4.416 11.027,5.516 11.027,9.816 10.927,9.916 9.227,9.916 8.4,9.089 8.4,4.8 8.1,4.5 8.1,0 12.127,0
SH_U_R on Top Layer "PolygonDirect" (solid, pour order 23): 2.8,4.87 2.8,9.9 1.1,9.9 0.3,9.1 0.3,4.87
GND on Top Layer "PolygonDirect" (solid, pour order 18): 3,6.881 3.409,7.29 4.109,7.29 4.309,7.09 4.309,4.89 4.209,4.79 3,4.79
SH_V_R on Top Layer "PolygonDirect" (solid, pour order 17): 6.9,4.87 6.9,9.9 5.2,9.9 4.4,9.1 4.4,4.87
VBAT on Top Layer "PolygonDirect" (solid, pour order 15): 1.5,26.7 1.9,27.1 1.9,30.7 2.6,31.4 2.6,34.8 0,34.8 0,14.2 1.5,14.2
12V on Top Layer "polygonDirect" (solid, pour order 5): 13.6,38 14.1,37.5 14.1,34.8 14,34.7 11.7,34.7 11.7,38
VBAT on Top Layer "NONET_L03_P-001" (solid, pour order 0): 18.29,33.2 18.29,33.6 ccw(c17.89,33.6) 17.89,34 17.39,34 ccw(c17.39,33.6) 16.99,33.6 16.99,33.2 ccw(c17.39,33.2) 17.39,32.8 17.89,32.8 ccw(c17.89,33.2)
GND on Bottom Layer "PolygonDirect" (solid, pour order 39): 0,0 0,38.3 21.9,38.3 21.9,0
OUT_V on Bottom Layer "PolygonDirect" (solid, pour order 38): 4.2,0 4.2,5.2 5,6 6.794,6 7.1,5.694 7.1,5 8,4.1 8,0
5VREG_SW on Bottom Layer "PolygonDirect" (solid, pour order 37): 15.8,30 16.9,28.9 19.1,28.9 19.1,30.4 18.3,30.4 17.9,30.8 17.9,31.3 15.8,31.3
VBAT on Bottom Layer "PolygonDirect" (solid, pour order 28): 1.3,28.8 0,28.8 0,34.6 1.6,34.6 2,34.2 2,31.718 2,29.5
VBAT on Bottom Layer "PolygonDirect" (solid, pour order 27): 7.5,34.9 7.5,33.8 9,32.3 10.2,32.3 10.9,33 10.9,34.9
Vin on Bottom Layer "PolygonDirect" (solid, pour order 20): 4,38.3 4,35.2 4.4,34.8 4.4,32.875 3.2,32.875 3.2,33.2 1.7,34.7 0,34.7 0,38.3
12V on Bottom Layer "PolygonDirect" (solid, pour order 9): 12.7,36.55 12.7,37.3 11.5,37.3 11.5,34.95 13,34.95 13,36.25
OUT_U on Bottom Layer "PolygonDirect" (solid, pour order 7): 0,0 0,5.1 0.9,6 2.694,6 4.5,4.194 4.5,0
VBAT on PWR 2 "VBAT_L07_P030" (solid, pour order 30): 0,0 0,38.3 21.9,38.3 21.9,0
12V on PWR 2 "PWR 2-12V" (solid, pour order 24): 3.2,11.5 3.6,11.1 13.5,11.1 21.9,19.5 21.9,38.3 12,38.3 11.1,37.4 11.1,34.6 11.6,34.1 13.3,34.1 14.4,33 14.4,17.8 11.4,14.8 3.6,14.8 3.2,14.4
GND on Layer 4 "GND_L06_P031" (solid, pour order 31): 0,0 0,38.3 21.9,38.3 21.9,0
3V3_MCU on Layer 4 "3V3_MCU_L06_P021" (solid, pour order 21): 1.9,28.5 5.4,32 13,32 15.9,29.1 15.9,21.1 12.3,17.5 6.3,17.5 1.9,21.9
GND on GND 1 "GND_L02_P014" (solid, pour order 14): 0,0 0,38.3 21.9,38.3 21.9,0
VBAT on PWR 1 "VBAT_L04_P022" (solid, pour order 22): 0,0 0,38.3 21.9,38.3 21.9,0
GND on GND 2 "GND_L05_P032" (solid, pour order 32): 0,0 0,38.3 21.9,38.3 21.9,0
GND on Layer 3 "GND_L03_P033" (solid, pour order 33): 0,0 0,38.3 21.9,38.3 21.9,0

## Other copper
Top Layer:
  pour cut-out: 17.8,38.3 17.8,34.8 18.7,33.9 21.992,33.9 21.992,38.3
  pour cut-out: 7.121,38.3 7.121,34.279 7.8,33.6 10.1,33.6 10.4,33.3 11.6,33.3 11.6,38.3 7.1,38.3
  pour cut-out: 2.129,38.3 2.129,34.904 3.667,33.366 4.066,33.366 4.7,34 4.7,38.3 2.127,38.3
Layer 3:
  rectangle net 12VREG_LX: 8.5,34.6 9.8,37.3
Bottom Layer:
  region net 5V: 18.072,7.7 17.9,7.7 17.9,7.1 18.072,7.1
  region net 3V3: 18.072,8.6 17.9,8.6 17.9,8 18.072,8
  rectangle net VCC_ENC_R: 18.328,8 18.5,8.6
  rectangle net VCC_ENC_R: 18.328,7.1 18.5,7.7
  pour cut-out: 4.2,4.975 4.4,4.775 4.6,4.775 4.8,4.975 4.8,6.025 4.425,6.025 4.2,5.8
  pour cut-out: 0.2,5 0.4,4.8 0.6,4.8 0.8,5 0.8,6.05 0.2,6.05

## Silkscreen, mask and mechanical layers (free items; w line width, h text height)
Top Overlay:
  text "_" at 5.454,35.162 h1.25
  text "+" at 1.298,33.894 h1.25
  text "G" at 16.977,33.75 h0.7
  text "L" at 18.737,33.75 h0.7
  text "H" at 20.537,33.75 h0.7
  text "ESC" at 16.207,18.213 h3.2
  text "v3.2" at 17.95,17.15 h0.7
  text "Servo" at 15.82,10.92 h0.6
  text "ENC" at 13.12,6.22 h0.6
Bottom Overlay:
  text "-" at 5.454,33.829 h1.25
  text "3V3" at 17.133,8.18 h0.4
  text "5V" at 17.133,7.18 h0.4
Board Outline:
  the board outline again, w0.254

## Dimensions
0,0 to 21.9,0 on Dimensions
0,38.3 to 0,0 on Dimensions